# KiCad board AmigaPCI Mainboard.kicad_pcb (continued)
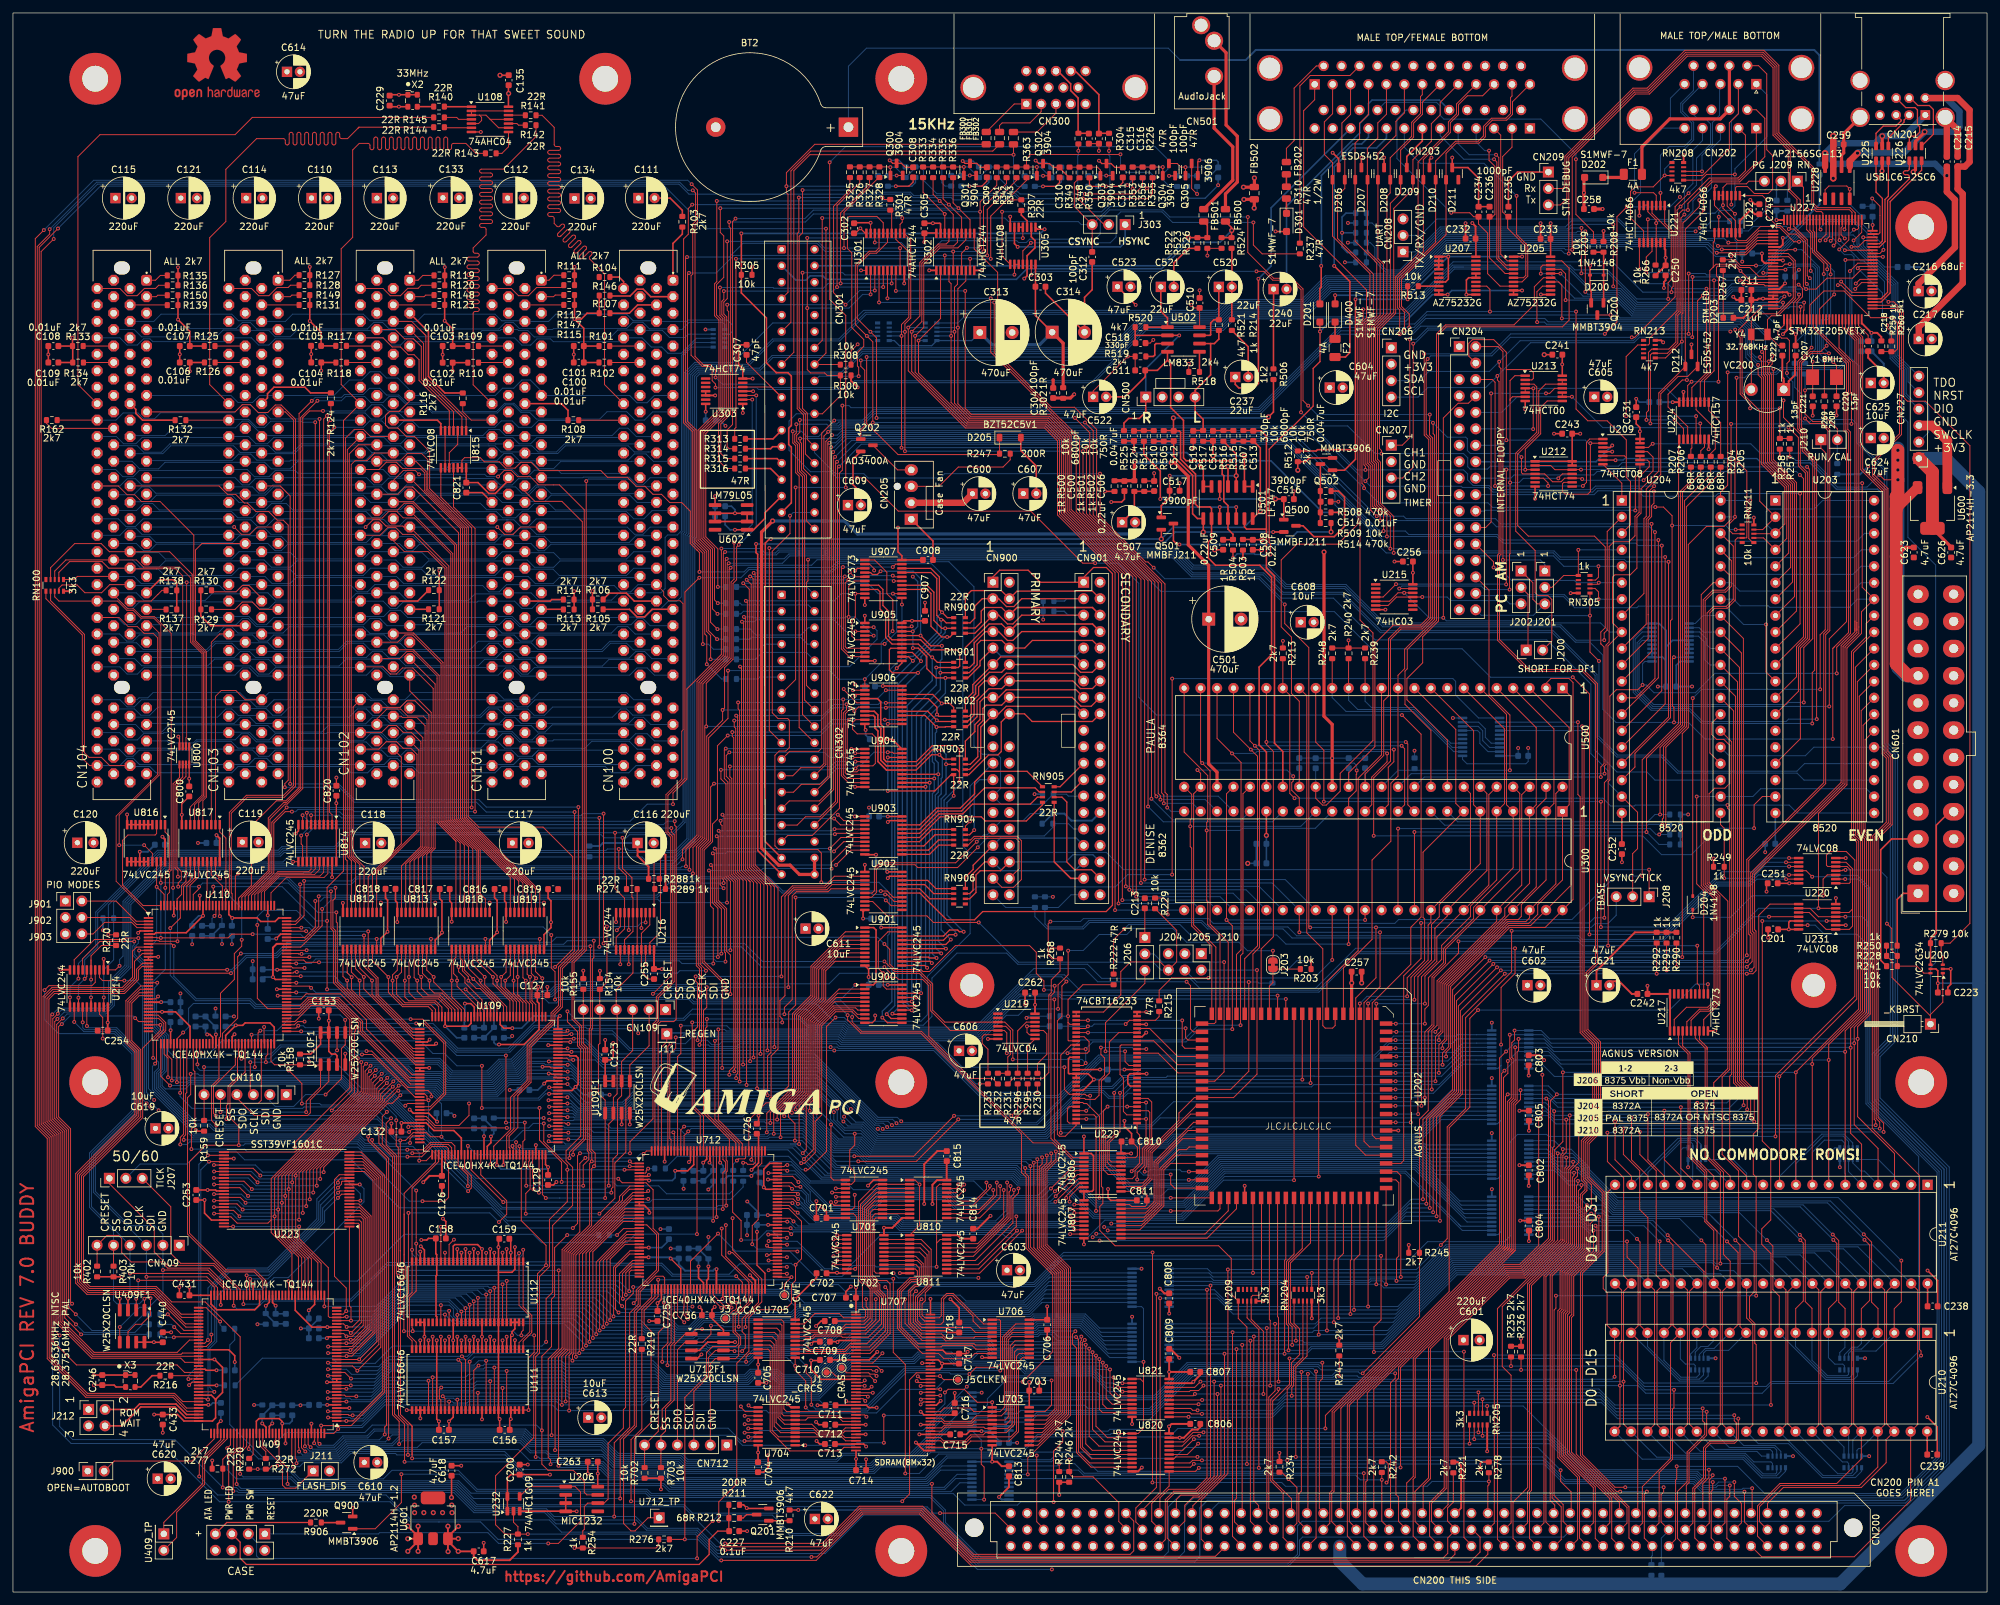
[diagram p0: board, top side]
## Library data of the parts (continued)
J900 = -: Description: Generic connector, double row, 02x01, this symbol is compatible with counter-clockwise, top-bottom and odd-even numbering schemes., script generated (kicad-library-utils/schlib/autogen/connector/); LCSC: C124375; ki_fp_filters: Connector*:*_2x??_*
Q200 Q300-Q304 = -: Datasheet: https://www.onsemi.com/pdf/datasheet/pzt3904-d.pdf; LCSC: C84104; ki_fp_filters: SOT?23*
Q201 Q305 Q502 = -: Datasheet: https://www.onsemi.com/pdf/datasheet/pzt3906-d.pdf; LCSC: C75549; ki_fp_filters: SOT?23*
Q202 = -: Datasheet: http://www.aosmd.com/pdfs/datasheet/AO3400A.pdf; Description: 30V Vds, 5.7A Id, N-Channel MOSFET, SOT-23; LCSC: C347475; ki_fp_filters: SOT?23*
Q500 Q501 = -: Datasheet: https://www.nxp.com/docs/en/data-sheet/BF545A_BF545B_BF545C.pdf; LCSC: C3290016; ki_fp_filters: SOT?23*
Q900 = -: Datasheet: https://www.onsemi.com/pdf/datasheet/pzt3906-d.pdf; Description: -0.2A Ic, -40V Vce, Small Signal PNP Transistor, SOT-23; LCSC: C75549; ki_fp_filters: SOT?23*
R101-R139 R146-R150 R162 R213 R221 R234-R236 R239 R240 R242-R246 R248 R276-R278 R512 = -: LCSC: C13167; ki_fp_filters: R_*
R140-R145 R216 R217 R219 R220 R270-R275 R282-R285 R293 R307 = -: LCSC: C23345; ki_fp_filters: R_*
R154 R155 R158 R159 R202 R203 R208 R209 R223 R228 R229 R241 R265 R266 R279 R300 R305 R308 R402 R403 R509-R511 R513 R515-R517 R525 R702 R703 R901-R904 R911 R912 = -: LCSC: C25804; ki_fp_filters: R_*
R156 R157 R160 R161 R400 R401 R700 R701 = -: LCSC: C22775; ki_fp_filters: R_*
R201 R329 R337 R344 = -: LCSC: C23179; ki_fp_filters: R_*
R204-R207 R211 R218 R251-R253 = -: LCSC: C25254; ki_fp_filters: R_*
R210 R520 R521 = -: LCSC: C23162; ki_fp_filters: R_*
R212 R247 = -: LCSC: C8218; ki_fp_filters: R_*
R214 R224 R225 R227 R249 R250 R254-R259 R262-R264 R268 R286-R292 R303 R309 R311 R312 R325 R333 R341 R349 R501 R502 R522-R524 R526 R900 = -: LCSC: C21190; ki_fp_filters: R_*
R215 R222 R226 R230-R233 R238 R294-R296 R301 R304 R313-R324 = -: LCSC: C23182; ki_fp_filters: R_*
R237 = -: Wattage: 1W; LCSC: C23182; ki_fp_filters: R_*
R260 R261 = -: LCSC: C23186; ki_fp_filters: R_*
R267 R280 R281 = -: LCSC: C4190; ki_fp_filters: R_*
R269 R348 R906 = -: LCSC: C22962; ki_fp_filters: R_*
R302 R500 R503 R504 = -: LCSC: C22936; ki_fp_filters: R_*
R310 = -: LCSC: C560533; ki_fp_filters: R_*
R326 R334 R342 = -: LCSC: C22975; ki_fp_filters: R_*
R327 R335 R343 = -: LCSC: C23018; ki_fp_filters: R_*
R328 R336 R363 = -: LCSC: C25981; ki_fp_filters: R_*
R330 R338 R345 = -: LCSC: C23151; ki_fp_filters: R_*
R331 R332 R339 R340 R346 R347 R352 R362 = -: LCSC: C4275; ki_fp_filters: R_*
R350 = -: LCSC: C22967; ki_fp_filters: R_*
R351 = -: LCSC: C22808; ki_fp_filters: R_*
R353 R356 = -: LCSC: C23033; ki_fp_filters: R_*
R354 = -: LCSC: C25952; ki_fp_filters: R_*
R355 = -: LCSC: C25977; ki_fp_filters: R_*
R357 = -: LCSC: C23265; ki_fp_filters: R_*
R358 = -: LCSC: C22898; ki_fp_filters: R_*
R359 = -: LCSC: C22966; ki_fp_filters: R_*
R360 R361 = -: LCSC: C23148; ki_fp_filters: R_*
R505 R507 = -: LCSC: C23241; ki_fp_filters: R_*
R506 = -: LCSC: C22765; ki_fp_filters: R_*
R508 R514 = -: LCSC: C23178; ki_fp_filters: R_*
R518 R519 = -: LCSC: C22940; ki_fp_filters: R_*
RN100 RN101 RN200-RN207 RN209 = -: Datasheet: https://www.ctscorp.com/wp-content/uploads/74x.pdf; Description: 8 resistor network, SMD, bussed resistors, small symbol; Part Number: 746X101332JP; LCSC: C1731077; ki_fp_filters: R?Array?SIP*
RN208 RN213 RN301 RN302 = -: Datasheet: https://www.ctscorp.com/wp-content/uploads/74x.pdf; Description: 8 resistor network, SMD, bussed resistors, small symbol; Part Number: YC158TJR-074K7L; LCSC: C728819; ki_fp_filters: R?Array?SIP*
RN211 = -: Datasheet: https://www.ctscorp.com/wp-content/uploads/74x.pdf; Description: 8 resistor network, SMD, bussed resistors, small symbol; Part Number: YC158TJR-0710KL; LCSC: C309679; ki_fp_filters: R?Array?SIP*
RN305 = -: Datasheet: https://www.ctscorp.com/wp-content/uploads/74x.pdf; Description: 8 resistor network, SMD, bussed resistors, small symbol; Part Number: 746X101102JP; LCSC: C1731268; ki_fp_filters: R?Array?SIP*
RN900-RN906 = -: Description: 4 resistor network, parallel topology, split; Part: YC164-FR-0722RL; LCSC: C12008; ki_fp_filters: DIP* SOIC* R*Array*Concave* R*Array*Convex* MSOP*
U108 = -: Datasheet: http://www.ti.com/lit/gpn/sn74LS04; LCSC: C8190; ki_fp_filters: DIP*W7.62mm* SSOP?14* TSSOP?14*
U109 U110 U409 U712 = -: Description: IC FPGA 107 I/O 144TQFP; Availability: Unavailable; MF: Lattice Semiconductor; Package: TQFP-144 Lattice Semiconductor; Price: None; LCSC: C1521989
U109F1 U110F1 U409F1 U712F1 = -: Datasheet: https://www.winbond.com/resource-files/w25x20cl_revf%2020150806.pdf; LCSC: C34591; ki_fp_filters: SOIC*3.9x4.9mm*P1.27mm*
U111 U112 = -: LCSC: C2869631; ki_fp_filters: DL56 DL56-M DL56-L
U200 = -: Datasheet: http://www.ti.com/lit/sg/scyt129e/scyt129e.pdf; Description: Dual Buffer, Low-Voltage CMOS; LCSC: C14461; ki_fp_filters: SG-* SOT*
U201 U701-U704 U806-U814 U816-U819 U900-U905 = -: Datasheet: http://www.ti.com/lit/gpn/sn74LS245; LCSC: C7848; ki_fp_filters: DIP?20*
U202 = -: LCSC: C5445002
U203 U204 U210 U211 = -: LCSC: C2332
U205 U207 = -: Datasheet: https://www.diodes.com/assets/Datasheets/AZ75232.pdf; Description: RS232 interface IC, 3 drivers, 5 receivers, 3.3V/5V Vcc supply, bipolar Vdd/Vss supply, 120kb/s, TSSOP-20; LCSC: C444988; ki_fp_filters: TSSOP*4.4x6.5mm*P0.65mm*
U206 = -: Datasheet: https://ww1.microchip.com/downloads/aemDocuments/documents/APID/ProductDocuments/DataSheets/MIC1232-5V-Voltage-Supervisor-with-Manual-Reset-Watchdog-Timer-and-Dual-Reset-Outputs-DS20006726.pdf; Description: Supply-Voltage Supervisors w/Watchdog and Pushbutton Reset, 5V, PDIP-8/SOIC-8; LCSC: C627729; ki_fp_filters: SOIC*3.9x4.9mm*P1.27mm* DIP*W7.62mm*
U208 = -: Description: 8-bit Register, 3-state outputs; LCSC: C7672; ki_fp_filters: DIP?20*
U209 U305 = -: Datasheet: http://www.ti.com/lit/gpn/sn74LS08; LCSC: C131488; ki_fp_filters: DIP*W7.62mm*
U212 = -: Datasheet: 74xx/74hc_hct74.pdf; LCSC: C141335; ki_fp_filters: DIP*W7.62mm*
U213 = -: Datasheet: http://www.ti.com/lit/gpn/sn74ls00; LCSC: C8206; ki_fp_filters: DIP*W7.62mm* SO14*
U214 U216 = -: Datasheet: https://assets.nexperia.com/documents/data-sheet/74HC_HCT244.pdf; Description: 8-bit Buffer/Line Driver 3-state; LCSC: C7668; ki_fp_filters: TSSOP*4.4x6.5mm*P0.65mm* SSOP*4.4x6.5mm*P0.65mm*
U215 = -: Datasheet: http://www.ti.com/lit/gpn/sn74LS03; LCSC: C546492; ki_fp_filters: DIP*W7.62mm**
U217 = -: Datasheet: http://www.ti.com/lit/gpn/sn74LS273; Description: 8-bit D Flip-Flop, reset; LCSC: C513294; ki_fp_filters: DIP?20* SO?20* SOIC?20*
U219 = -: Datasheet: http://www.ti.com/lit/gpn/sn74LS04; LCSC: C352968; ki_fp_filters: DIP*W7.62mm* SSOP?14* TSSOP?14*
U220 U231 U815 = -: Datasheet: http://www.ti.com/lit/gpn/sn74LS08; LCSC: C6053; ki_fp_filters: DIP*W7.62mm*
U221 U222 = -: Datasheet: https://www.ti.com/lit/ds/symlink/cd4066b.pdf; LCSC: C26433; ki_fp_filters: DIP*W7.62*
U223 = -: Datasheet: https://ww1.microchip.com/downloads/en/DeviceDoc/SST39VF1601C-SST39VF1602C-16-Mbit-x16-Multi-Purpose-Flash-Plus-DS20005018B.pdf; Description: Silicon Storage Technology 1Mx16 Flash ROM; LCSC: C184156
U224 = -: Datasheet: http://www.ti.com/lit/gpn/sn74LS157; LCSC: C2674471; ki_fp_filters: DIP?16*
U225 U226 = -: Datasheet: https://www.st.com/resource/en/datasheet/usblc6-2.pdf; LCSC: C7519; ki_fp_filters: SOT?23*
U227 = -: Datasheet: https://www.st.com/resource/en/datasheet/stm32f205ve.pdf; Description: STMicroelectronics Arm Cortex-M3 MCU, 512KB flash, 128KB RAM, 120 MHz, 1.8-3.6V, 82 GPIO, LQFP100; LCSC: C81869; ki_fp_filters: LQFP*14x14mm*P0.5mm*
U228 = -: LCSC: C88233
U229 = -: Datasheet: https://www.ti.com/lit/ds/symlink/sn74cbt16233.pdf?HQS=dis-dk-null-digikeymode-dsf-pf-null-wwe&ts=1686702107606&ref_url=https%253A%252F%252Fwww.ti.com%252Fgeneral%252Fdocs%252Fsuppproductinfo.tsp%253FdistId%253D10%2526gotoUrl%253Dhttps%253A%252F%252Fwww.ti.com%252Flit%252Fgpn%252Fsn74cbt16233; Part Number: SN74CBT16233DL; LCSC: C2674759; ki_fp_filters: SSOP*3.9x4.9mm*P0.635mm* TSSOP*4.4x5mm*P0.65mm* TVSOP*4.4x3.6mm*P0.4mm* SOIC*3.9x9.9mm*P1.27mm*
U232 = -: Datasheet: https://assets.nexperia.com/documents/data-sheet/74AHC1G09.pdf; Description: Single AND Gate, Open Drain, Low-Voltage CMOS; LCSC: C840099; ki_fp_filters: SOT* SG-*
U300 U500 = -: LCSC: C5510465
U301 U302 = -: Datasheet: https://assets.nexperia.com/documents/data-sheet/74HC_HCT244.pdf; LCSC: C135583; ki_fp_filters: TSSOP*4.4x6.5mm*P0.65mm* SSOP*4.4x6.5mm*P0.65mm*
U303 = -: LCSC: C141335; ki_fp_filters: DIP*W7.62mm*
U501 = -: LCSC: C7917
U502 = -: LCSC: C127074
U600 = -: Datasheet: http://www.ti.com/lit/ds/symlink/lm1117.pdf; LCSC: C150716; ki_fp_filters: TO?252*
U601 = -: Datasheet: http://www.ti.com/lit/ds/symlink/lm1117.pdf; LCSC: C94854; ki_fp_filters: TO?252*
U602 = -: Datasheet: https://www.ti.com/lit/ds/symlink/lm79l.pdf?HQS=dis-dk-null-digikeymode-dsf-pf-null-wwe&ts=1736443216071; Description: Negative 100mA Linear Regulator, Fixed Output -5V, SO-8; LCSC: C7555; ki_fp_filters: SOIC?8*3.9x4.9mm*P1.27mm*
U705 U706 = -: Datasheet: http://www.ti.com/lit/gpn/sn74HC245; LCSC: C7848; ki_fp_filters: DIP?20*
U707 = -: Datasheet: https://www.issi.com/WW/pdf/42-45R-S-32160F.pdf; Description: 16M x 32 bit Synchronous DRAM (SDRAM), TSOP II 86pin; LCSC: C1351836
U800 = -: Datasheet: https://assets.nexperia.com/documents/data-sheet/74LVC_LVCH2T45.pdf; Description: Dual supply translating transceiver, 3-state, 2-bit, VSSOP-8; LCSC: C15741; ki_fp_filters: VSSOP*2.3x2mm*P0.5mm*
U802-U805 U820-U823 = -: Datasheet: http://www.ti.com/lit/gpn/sn74LS245; Description: Octal BUS Transceivers, 3-State outputs; LCSC: C7848; ki_fp_filters: DIP?20*
U906 U907 = -: Datasheet: https://www.ti.com/lit/ds/symlink/cd54hc373.pdf; LCSC: C485083; ki_fp_filters: DIP?20* SOIC?20* SO?20* SSOP?20* TSSOP?20*
VC200 = -: Datasheet: https://media.digikey.com/pdf/Data%20Sheets/EW%20Electronics-Edmar/GKGxx015_016_Series_DS.pdf; Part Number: GKG5R015; LCSC: C3273284
X2 = -: Datasheet: http://cdn-reichelt.de/documents/datenblatt/B400/XO32.pdf; LCSC: C17506154; ki_fp_filters: Oscillator*SMD*EuroQuartz*XO32*3.2x2.5mm*
X3 = -: Datasheet: http://cdn-reichelt.de/documents/datenblatt/B400/XO32.pdf; LCSC: C1670933; ki_fp_filters: Oscillator*SMD*EuroQuartz*XO32*3.2x2.5mm*
Y1 = -: Part: 445C33D25M00000; LCSC: C5564812; ki_fp_filters: Crystal*
Y4 = -: Part Number: FC-135 32.7680KA-AG0; LCSC: C20340322; ki_fp_filters: Crystal*

## Footprints (pads in the part's own frame, mm; a bottom-side part is the same pattern mirrored in y, then rotated)
2x18_P2.54mm_Horizontal
  rrect 1.31x1.31 hole 0.71: 1(-22.733,-2.413)
  round 1.31 hole 0.71: 2(-22.733,2.667) 3(-20.193,-2.413) 4(-20.193,2.667) 5(-17.653,-2.413) 6(-17.653,2.667) 7(-15.113,-2.413) 8(-15.113,2.667) 9(-12.573,-2.413) 10(-12.573,2.667) 11(-10.033,-2.413) 12(-10.033,2.667) 13(-7.493,-2.413) 14(-7.493,2.667) 15(-4.953,-2.413) 16(-4.953,2.667) 17(-2.413,-2.413) 18(-2.413,2.667) 19(0.127,-2.413) 20(0.127,2.667) 21(2.667,-2.413) 22(2.667,2.667) 23(5.207,-2.413) 24(5.207,2.667) 25(7.747,-2.413) 26(7.747,2.667) 27(10.287,-2.413) 28(10.287,2.667) 29(12.827,-2.413) 30(12.827,2.667) 31(15.367,-2.413) 32(15.367,2.667) 33(17.907,-2.413) 34(17.907,2.667) 35(20.447,-2.413) 36(20.447,2.667)
ATA_Header_2x20_P2.54mm
  rect 1.7x1.7 hole 1: 1(0,0)
  oval 1.7x1.7 hole 1: 2(2.54,0) 3(0,-2.54) 4(2.54,-2.54) 5(0,-5.08) 6(2.54,-5.08) 7(0,-7.62) 8(2.54,-7.62) 9(0,-10.16) 10(2.54,-10.16) 11(0,-12.7) 12(2.54,-12.7) 13(0,-15.24) 14(2.54,-15.24) 15(0,-17.78) 16(2.54,-17.78) 17(0,-20.32) 18(2.54,-20.32) 19(0,-22.86) 21(0,-25.4) 22(2.54,-25.4) 23(0,-27.94) 24(2.54,-27.94) 25(0,-30.48) 26(2.54,-30.48) 27(0,-33.02) 28(2.54,-33.02) 29(0,-35.56) 30(2.54,-35.56) 31(0,-38.1) 32(2.54,-38.1) 33(0,-40.64) 34(2.54,-40.64) 35(0,-43.18) 36(2.54,-43.18) 37(0,-45.72) 38(2.54,-45.72) 39(0,-48.26) 40(2.54,-48.26)
AudioHeader
  rect 1.7x1.7 hole 1: 1(0,0)
  oval 1.7x1.7 hole 1: 2(0,-2.54) 3(0,-5.08) 4(0,-7.62)
BatteryHolder_Keystone_103_1x20mm
  rect 3x3 hole 1.5: 1(0,0)
  round 3 hole 1.5: 2(20.49,0)
C_0603_1608Metric
  rrect 0.9x0.95 smd: 1(-0.775,0) 2(0.775,0)
C_0805_2012Metric
  rrect 1x1.45 smd: 1(-0.95,0) 2(0.95,0)
CP_Radial_D5.0mm_P2.00mm
  rect 1.6x1.6 hole 0.8: 1(0,0)
  round 1.6 hole 0.8: 2(2,0)
CP_Radial_D6.3mm_P2.50mm
  rect 1.6x1.6 hole 0.8: 1(0,0)
  round 1.6 hole 0.8: 2(2.5,0)
CP_Radial_D10.0mm_P5.00mm
  rect 2x2 hole 1: 1(0,0)
  round 2 hole 1: 2(5,0)
Crystal_SMD_3215-2Pin_3.2x1.5mm
  rect 1x1.8 smd: 1(1.25,0) 2(-1.25,0)
Crystal_SMD_5032-2Pin_5.0x3.2mm
  rect 2x2.4 smd: 1(-1.85,0) 2(1.85,0)
D_SOD-123
  rrect 0.9x1.2 smd: 1(-1.65,0) 2(1.65,0)
D_SOD-123F
  rrect 1.1x1.1 smd: 1(-1.4,0) 2(1.4,0)
D_SOD-323
  rrect 0.6x0.45 smd: 1(-1.05,0) 2(1.05,0)
DIN41612_C_3x50_Female_Vertical_THT
  round 2.85 hole 2.85 unplated: (-0.28,69.15) (-0.28,-66.57)
  round 1.55 hole 1: a1(-2.52,-60.94) a2(-2.52,-58.4) a3(-2.52,-55.86) a4(-2.52,-53.32) a5(-2.52,-50.78) a6(-2.52,-48.24) a7(-2.52,-45.7) a8(-2.52,-43.16) a9(-2.52,-40.62) a10(-2.52,-38.08) a11(-2.52,-35.54) a12(-2.52,-33) a13(-2.52,-30.46) a14(-2.52,-27.92) a15(-2.52,-25.38) a16(-2.52,-22.84) a17(-2.52,-20.3) a18(-2.52,-17.76) a19(-2.52,-15.22) a20(-2.52,-12.68) a21(-2.52,-10.14) a22(-2.52,-7.6) a23(-2.52,-5.06) a24(-2.52,-2.52) a25(-2.52,0.02) a26(-2.52,2.56) a27(-2.52,5.1) a28(-2.52,7.64) a29(-2.52,10.18) a30(-2.52,12.72) a31(-2.52,15.26) a32(-2.52,17.8) a33(-2.52,20.34) a34(-2.52,22.88) a35(-2.52,25.42) a36(-2.52,27.96) a37(-2.52,30.5) a38(-2.52,33.04) a39(-2.52,35.58) a40(-2.52,38.12) a41(-2.52,40.66) a42(-2.52,43.2) a43(-2.52,45.74) a44(-2.52,48.28) a45(-2.52,50.82) a46(-2.52,53.36) a47(-2.52,55.9) a48(-2.52,58.44) a49(-2.52,60.98) a50(-2.52,63.52) b1(0.02,-60.94) b2(0.02,-58.4) b3(0.02,-55.86) b4(0.02,-53.32) b5(0.02,-50.78) b6(0.02,-48.24) b7(0.02,-45.7) b8(0.02,-43.16) b9(0.02,-40.62) b10(0.02,-38.08) b11(0.02,-35.54) b12(0.02,-33) b13(0.02,-30.46) b14(0.02,-27.92) b15(0.02,-25.38) b16(0.02,-22.84) b17(0.02,-20.3) b18(0.02,-17.76) b19(0.02,-15.22) b20(0.02,-12.68) b21(0.02,-10.14) b22(0.02,-7.6) b23(0.02,-5.06) b24(0.02,-2.52) b25(0.02,0.02) b26(0.02,2.56) b27(0.02,5.1) b28(0.02,7.64) b29(0.02,10.18) b30(0.02,12.72) b31(0.02,15.26) b32(0.02,17.8) b33(0.02,20.34) b34(0.02,22.88) b35(0.02,25.42) b36(0.02,27.96) b37(0.02,30.5) b38(0.02,33.04) b39(0.02,35.58) b40(0.02,38.12) b41(0.02,40.66) b42(0.02,43.2) b43(0.02,45.74) b44(0.02,48.28) b45(0.02,50.82) b46(0.02,53.36) b47(0.02,55.9) b48(0.02,58.44) b49(0.02,60.98) b50(0.02,63.52) c1(2.56,-60.94) c2(2.56,-58.4) c3(2.56,-55.86) c4(2.56,-53.32) c5(2.56,-50.78) c6(2.56,-48.24) c7(2.56,-45.7) c8(2.56,-43.16) c9(2.56,-40.62) c10(2.56,-38.08) c11(2.56,-35.54) c12(2.56,-33) c13(2.56,-30.46) c14(2.56,-27.92) c15(2.56,-25.38) c16(2.56,-22.84) c17(2.56,-20.3) c18(2.56,-17.76) c19(2.56,-15.22) c20(2.56,-12.68) c21(2.56,-10.14) c22(2.56,-7.6) c23(2.56,-5.06) c24(2.56,-2.52) c25(2.56,0.02) c26(2.56,2.56) c27(2.56,5.1) c28(2.56,7.64) c29(2.56,10.18) c30(2.56,12.72) c31(2.56,15.26) c32(2.56,17.8) c33(2.56,20.34) c34(2.56,22.88) c35(2.56,25.42) c36(2.56,27.96) c37(2.56,30.5) c38(2.56,33.04) c39(2.56,35.58) c40(2.56,38.12) c41(2.56,40.66) c42(2.56,43.2) c43(2.56,45.74) c44(2.56,48.28) c45(2.56,50.82) c46(2.56,53.36) c47(2.56,55.9) c48(2.56,58.44) c49(2.56,60.98) c50(2.56,63.52)
DIP-40_W15.24mm_Socket
  rect 1.6x1.6 hole 0.8: 1(0,0)
  oval 1.6x1.6 hole 0.8: 2(0,-2.54) 3(0,-5.08) 4(0,-7.62) 5(0,-10.16) 6(0,-12.7) 7(0,-15.24) 8(0,-17.78) 9(0,-20.32) 10(0,-22.86) 11(0,-25.4) 12(0,-27.94) 13(0,-30.48) 14(0,-33.02) 15(0,-35.56) 16(0,-38.1) 17(0,-40.64) 18(0,-43.18) 19(0,-45.72) 20(0,-48.26) 21(15.24,-48.26) 22(15.24,-45.72) 23(15.24,-43.18) 24(15.24,-40.64) 25(15.24,-38.1) 26(15.24,-35.56) 27(15.24,-33.02) 28(15.24,-30.48) 29(15.24,-27.94) 30(15.24,-25.4) 31(15.24,-22.86) 32(15.24,-20.32) 33(15.24,-17.78) 34(15.24,-15.24) 35(15.24,-12.7) 36(15.24,-10.16) 37(15.24,-7.62) 38(15.24,-5.08) 39(15.24,-2.54) 40(15.24,0)
DIP-48_W15.24mm
  rect 1.6x1.6 hole 0.8: 1(0,0)
  oval 1.6x1.6 hole 0.8: 2(0,-2.54) 3(0,-5.08) 4(0,-7.62) 5(0,-10.16) 6(0,-12.7) 7(0,-15.24) 8(0,-17.78) 9(0,-20.32) 10(0,-22.86) 11(0,-25.4) 12(0,-27.94) 13(0,-30.48) 14(0,-33.02) 15(0,-35.56) 16(0,-38.1) 17(0,-40.64) 18(0,-43.18) 19(0,-45.72) 20(0,-48.26) 21(0,-50.8) 22(0,-53.34) 23(0,-55.88) 24(0,-58.42) 25(15.24,-58.42) 26(15.24,-55.88) 27(15.24,-53.34) 28(15.24,-50.8) 29(15.24,-48.26) 30(15.24,-45.72) 31(15.24,-43.18) 32(15.24,-40.64) 33(15.24,-38.1) 34(15.24,-35.56) 35(15.24,-33.02) 36(15.24,-30.48) 37(15.24,-27.94) 38(15.24,-25.4) 39(15.24,-22.86) 40(15.24,-20.32) 41(15.24,-17.78) 42(15.24,-15.24) 43(15.24,-12.7) 44(15.24,-10.16) 45(15.24,-7.62) 46(15.24,-5.08) 47(15.24,-2.54) 48(15.24,0)
DSUB-9_Male_Stack
  rect 1.6x1.6 hole 1: 1(-5.588,11.02) 10(-5.588,17.82)
  round 1.6 hole 1: 2(-2.818,11.02) 3(-0.048,11.02) 4(2.722,11.02) 5(5.492,11.02) 6(-4.203,8.18) 7(-1.433,8.18) 8(1.337,8.18) 9(4.107,8.18) 11(-2.818,17.82) 12(-0.048,17.82) 13(2.722,17.82) 14(5.492,17.82) 15(-4.203,14.98) 16(-1.433,14.98) 17(1.337,14.98) 18(4.107,14.98)
  round 4 hole 3.2: 19(-12.548,16.4) 19(-12.548,8.5) 19(12.452,16.4) 19(12.452,8.5)
DSUB-15-HD_Female_Horizontal_P2.29x1.98mm_EdgePinOffset8.35mm_Housed_MountingHolesOffset10.89mm
  rect 1.6x1.6 hole 1: 1(4.572,13.97)
  round 1.6 hole 1: 2(2.282,13.97) 3(-0.008,13.97) 4(-2.298,13.97) 5(-4.588,13.97) 6(5.717,11.43) 7(3.427,11.43) 8(1.137,11.43) 9(-1.153,11.43) 10(-3.443,11.43) 11(4.572,8.89) 12(2.282,8.89) 13(-0.008,8.89) 14(-2.298,8.89) 15(-4.588,8.89)
  round 4 hole 3.2: 16(-12.243,11.43) 16(12.757,11.43)
DSUB-25_Stack_Female_Bottom_Male_Top
  rect 1.6x1.6 hole 1: 1(16.637,11.02) 26(-16.603,17.82)
  round 1.6 hole 1: 2(13.867,11.02) 3(11.097,11.02) 4(8.327,11.02) 5(5.557,11.02) 6(2.787,11.02) 7(0.017,11.02) 8(-2.753,11.02) 9(-5.523,11.02) 10(-8.293,11.02) 11(-11.063,11.02) 12(-13.833,11.02) 13(-16.603,11.02) 14(15.252,8.18) 15(12.482,8.18) 16(9.712,8.18) 17(6.942,8.18) 18(4.172,8.18) 19(1.402,8.18) 20(-1.368,8.18) 21(-4.138,8.18) 22(-6.908,8.18) 23(-9.678,8.18) 24(-12.448,8.18) 25(-15.218,8.18) 27(-13.833,17.82) 28(-11.049,17.82) 29(-8.293,17.82) 30(-5.523,17.82) 31(-2.753,17.82) 32(0.017,17.82) 33(2.794,17.82) 34(5.557,17.82) 35(8.327,17.82) 36(11.097,17.82) 37(13.843,17.82) 38(16.637,17.82) 39(-15.24,14.98) 40(-12.448,14.986) 41(-9.652,14.986) 42(-6.908,14.986) 43(-4.138,14.986) 44(-1.368,14.986) 45(1.397,14.986) 46(4.172,14.986) 47(6.942,14.986) 48(9.712,14.986) 49(12.482,14.986) 50(15.252,14.986)
  round 4 hole 3.2: 51(-23.533,16.4) 51(-23.533,8.5) 51(23.567,16.4) 51(23.567,8.5)
FanPinHeader_1x04_P2.54mm_Vertical
  round 1.1 hole 1.1 unplated: (5.08,2.16)
  rect 1.73x2.03 hole 1.02: 1(0,0)
  oval 1.73x2.03 hole 1.02: 2(2.54,0) 3(5.08,0) 4(7.62,0)
Floppy_PinHeader_2x17_P2.54mm
  rect 1.7x1.7 hole 1: 1(0,0)
  oval 1.7x1.7 hole 1: 2(2.54,0) 4(2.54,-2.54) 5(0,-5.08) 6(2.54,-5.08) 7(0,-7.62) 8(2.54,-7.62) 9(0,-10.16) 10(2.54,-10.16) 11(0,-12.7) 12(2.54,-12.7) 13(0,-15.24) 14(2.54,-15.24) 15(0,-17.78) 16(2.54,-17.78) 17(0,-20.32) 18(2.54,-20.32) 19(0,-22.86) 20(2.54,-22.86) 21(0,-25.4) 22(2.54,-25.4) 23(0,-27.94) 24(2.54,-27.94) 25(0,-30.48) 26(2.54,-30.48) 27(0,-33.02) 28(2.54,-33.02) 29(0,-35.56) 30(2.54,-35.56) 31(0,-38.1) 32(2.54,-38.1) 33(0,-40.64) 34(2.54,-40.64)
Fuse_1206_3216Metric
  rrect 1.25x1.75 smd: 1(-1.4,0) 2(1.4,0)
Jack_3.5mm_CUI_SJ1-3533NG_Horizontal_CircularHoles
  round 2.8 hole 2: R(2,-7.9) S(0,0) T(2,-2.4)
LED_0603_1608Metric
  rrect 0.875x0.95 smd: 1(-0.787,0) 2(0.787,0)
LQFP-100_14x14mm_P0.5mm
  rrect 1.6x0.3 smd: 1(-7.675,6) 2(-7.675,5.5) 3(-7.675,5) 4(-7.675,4.5) 5(-7.675,4) 6(-7.675,3.5) 7(-7.675,3) 8(-7.675,2.5) 9(-7.675,2) 10(-7.675,1.5) 11(-7.675,1) 12(-7.675,0.5) 13(-7.675,0) 14(-7.675,-0.5) 15(-7.675,-1) 16(-7.675,-1.5) 17(-7.675,-2) 18(-7.675,-2.5) 19(-7.675,-3) 20(-7.675,-3.5) 21(-7.675,-4) 22(-7.675,-4.5) 23(-7.675,-5) 24(-7.675,-5.5) 25(-7.675,-6) 51(7.675,-6) 52(7.675,-5.5) 53(7.675,-5) 54(7.675,-4.5) 55(7.675,-4) 56(7.675,-3.5) 57(7.675,-3) 58(7.675,-2.5) 59(7.675,-2) 60(7.675,-1.5) 61(7.675,-1) 62(7.675,-0.5) 63(7.675,0) 64(7.675,0.5) 65(7.675,1) 66(7.675,1.5) 67(7.675,2) 68(7.675,2.5) 69(7.675,3) 70(7.675,3.5) 71(7.675,4) 72(7.675,4.5) 73(7.675,5) 74(7.675,5.5) 75(7.675,6)
  rrect 0.3x1.6 smd: 26(-6,-7.675) 27(-5.5,-7.675) 28(-5,-7.675) 29(-4.5,-7.675) 30(-4,-7.675) 31(-3.5,-7.675) 32(-3,-7.675) 33(-2.5,-7.675) 34(-2,-7.675) 35(-1.5,-7.675) 36(-1,-7.675) 37(-0.5,-7.675) 38(0,-7.675) 39(0.5,-7.675) 40(1,-7.675) 41(1.5,-7.675) 42(2,-7.675) 43(2.5,-7.675) 44(3,-7.675) 45(3.5,-7.675) 46(4,-7.675) 47(4.5,-7.675) 48(5,-7.675) 49(5.5,-7.675) 50(6,-7.675) 76(6,7.675) 77(5.5,7.675) 78(5,7.675) 79(4.5,7.675) 80(4,7.675) 81(3.5,7.675) 82(3,7.675) 83(2.5,7.675) 84(2,7.675) 85(1.5,7.675) 86(1,7.675) 87(0.5,7.675) 88(0,7.675) 89(-0.5,7.675) 90(-1,7.675) 91(-1.5,7.675) 92(-2,7.675) 93(-2.5,7.675) 94(-3,7.675) 95(-3.5,7.675) 96(-4,7.675) 97(-4.5,7.675) 98(-5,7.675) 99(-5.5,7.675) 100(-6,7.675)
LQFP-144_20x20mm_P0.5mm
  rrect 1.475x0.3 smd: 1(-10.662,8.75) 2(-10.662,8.25) 3(-10.662,7.75) 4(-10.662,7.25) 5(-10.662,6.75) 6(-10.662,6.25) 7(-10.662,5.75) 8(-10.662,5.25) 9(-10.662,4.75) 10(-10.662,4.25) 11(-10.662,3.75) 12(-10.662,3.25) 13(-10.662,2.75) 14(-10.662,2.25) 15(-10.662,1.75) 16(-10.662,1.25) 17(-10.662,0.75) 18(-10.662,0.25) 19(-10.662,-0.25) 20(-10.662,-0.75) 21(-10.662,-1.25) 22(-10.662,-1.75) 23(-10.662,-2.25) 24(-10.662,-2.75) 25(-10.662,-3.25) 26(-10.662,-3.75) 27(-10.662,-4.25) 28(-10.662,-4.75) 29(-10.662,-5.25) 30(-10.662,-5.75) 31(-10.662,-6.25) 32(-10.662,-6.75) 33(-10.662,-7.25) 34(-10.662,-7.75) 35(-10.662,-8.25) 36(-10.662,-8.75) 73(10.662,-8.75) 74(10.662,-8.25) 75(10.662,-7.75) 76(10.662,-7.25) 77(10.662,-6.75) 78(10.662,-6.25) 79(10.662,-5.75) 80(10.662,-5.25) 81(10.662,-4.75) 82(10.662,-4.25) 83(10.662,-3.75) 84(10.662,-3.25) 85(10.662,-2.75) 86(10.662,-2.25) 87(10.662,-1.75) 88(10.662,-1.25) 89(10.662,-0.75) 90(10.662,-0.25) 91(10.662,0.25) 92(10.662,0.75) 93(10.662,1.25) 94(10.662,1.75) 95(10.662,2.25) 96(10.662,2.75) 97(10.662,3.25) 98(10.662,3.75) 99(10.662,4.25) 100(10.662,4.75) 101(10.662,5.25) 102(10.662,5.75) 103(10.662,6.25) 104(10.662,6.75) 105(10.662,7.25) 106(10.662,7.75) 107(10.662,8.25) 108(10.662,8.75)
  rrect 0.3x1.475 smd: 37(-8.75,-10.662) 38(-8.25,-10.662) 39(-7.75,-10.662) 40(-7.25,-10.662) 41(-6.75,-10.662) 42(-6.25,-10.662) 43(-5.75,-10.662) 44(-5.25,-10.662) 45(-4.75,-10.662) 46(-4.25,-10.662) 47(-3.75,-10.662) 48(-3.25,-10.662) 49(-2.75,-10.662) 50(-2.25,-10.662) 51(-1.75,-10.662) 52(-1.25,-10.662) 53(-0.75,-10.662) 54(-0.25,-10.662) 55(0.25,-10.662) 56(0.75,-10.662) 57(1.25,-10.662) 58(1.75,-10.662) 59(2.25,-10.662) 60(2.75,-10.662) 61(3.25,-10.662) 62(3.75,-10.662) 63(4.25,-10.662) 64(4.75,-10.662) 65(5.25,-10.662) 66(5.75,-10.662) 67(6.25,-10.662) 68(6.75,-10.662) 69(7.25,-10.662) 70(7.75,-10.662) 71(8.25,-10.662) 72(8.75,-10.662) 109(8.75,10.662) 110(8.25,10.662) 111(7.75,10.662) 112(7.25,10.662) 113(6.75,10.662) 114(6.25,10.662) 115(5.75,10.662) 116(5.25,10.662) 117(4.75,10.662) 118(4.25,10.662) 119(3.75,10.662) 120(3.25,10.662) 121(2.75,10.662) 122(2.25,10.662) 123(1.75,10.662) 124(1.25,10.662) 125(0.75,10.662) 126(0.25,10.662) 127(-0.25,10.662) 128(-0.75,10.662) 129(-1.25,10.662) 130(-1.75,10.662) 131(-2.25,10.662) 132(-2.75,10.662) 133(-3.25,10.662) 134(-3.75,10.662) 135(-4.25,10.662) 136(-4.75,10.662) 137(-5.25,10.662) 138(-5.75,10.662) 139(-6.25,10.662) 140(-6.75,10.662) 141(-7.25,10.662) 142(-7.75,10.662) 143(-8.25,10.662) 144(-8.75,10.662)
Molex_Mini-Fit_Jr_5566-24A_2x12_P4.20mm_Vertical
  rrect 2.7x3.3 hole 1.4: 1(0,0)
  oval 2.7x3.3 hole 1.4: 2(4.2,0) 3(8.4,0) 4(12.6,0) 5(16.8,0) 6(21,0) 7(25.2,0) 8(29.4,0) 9(33.6,0) 10(37.8,0) 11(42,0) 12(46.2,0) 13(0,-5.5) 14(4.2,-5.5) 15(8.4,-5.5) 16(12.6,-5.5) 17(16.8,-5.5) 18(21,-5.5) 19(25.2,-5.5) 20(29.4,-5.5) 21(33.6,-5.5) 22(37.8,-5.5) 23(42,-5.5) 24(46.2,-5.5)
MountingHole_3.5mm_Pad
  round 7 hole 3.5: 1(0,0)
MountingHole_4mm_Pad
  round 8 hole 4: 1(0,0)
Oscillator_SMD_ECS_2520MV-xxx-xx-4Pin_2.5x2.0mm
  rrect 0.8x0.9 smd: 1(-0.725,0.925) 2(-0.725,-0.925) 3(0.725,-0.925) 4(0.725,0.925)
PCI-5V
  oval 2.44x2 hole 2.44x2 unplated: (0,40.01) (0,-24.76)
  rrect 1.68x1.68 hole 1.02: A1(3.81,38.11) A2(1.27,36.84) A3(3.81,35.57) A4(1.27,34.3) A5(3.81,33.03) A6(1.27,31.76) A7(3.81,30.49) A8(1.27,29.22) A9(3.81,27.95) A10(1.27,26.68) A11(3.81,25.41) A12(1.27,24.13) A13(3.81,22.86) A14(1.27,21.59) A15(3.81,20.32) A16(1.27,19.05) A17(3.81,17.78) A18(1.27,16.51) A19(3.81,15.24) A20(1.27,13.97) A21(3.81,12.7) A22(1.27,11.43) A23(3.81,10.16) A24(1.27,8.89) A25(3.81,7.62) A26(1.27,6.35) A27(3.81,5.08) A28(1.27,3.81) A29(3.81,2.54) A30(1.27,1.27) A31(3.81,0) A32(1.27,-1.27) A33(3.81,-2.54) A34(1.27,-3.81) A35(3.81,-5.08) A36(1.27,-6.35) A37(3.81,-7.62) A38(1.27,-8.89) A39(3.81,-10.16) A40(1.27,-11.43) A41(3.81,-12.7) A42(1.27,-13.97) A43(3.81,-15.24) A44(1.27,-16.51) A45(3.81,-17.78) A46(1.27,-19.05) A47(3.81,-20.32) A48(1.27,-21.59) A49(3.81,-22.86) A52(1.27,-26.67) A53(3.81,-27.94) A54(1.27,-29.21) A55(3.81,-30.48) A56(1.27,-31.75) A57(3.81,-33.02) A58(1.27,-34.29) A59(3.81,-35.56) A60(1.27,-36.83) A61(3.81,-38.1) A62(1.27,-39.37) B1(-1.27,38.11) B2(-3.81,36.84) B3(-1.27,35.57) B4(-3.81,34.3) B5(-1.27,33.03) B6(-3.81,31.76) B7(-1.27,30.49) B8(-3.81,29.22) B9(-1.27,27.95) B10(-3.81,26.68) B11(-1.27,25.41) B12(-3.81,24.13) B13(-1.27,22.86) B14(-3.81,21.59) B15(-1.27,20.32) B16(-3.81,19.05) B17(-1.27,17.78) B18(-3.81,16.51) B19(-1.27,15.24) B20(-3.81,13.97) B21(-1.27,12.7) B22(-3.81,11.43) B23(-1.27,10.16) B24(-3.81,8.89) B25(-1.27,7.62) B26(-3.81,6.35) B27(-1.27,5.08) B28(-3.81,3.81) B29(-1.27,2.54) B30(-3.81,1.27) B31(-1.27,0) B32(-3.81,-1.27) B33(-1.27,-2.54) B34(-3.81,-3.81) B35(-1.27,-5.08) B36(-3.81,-6.35) B37(-1.27,-7.62) B38(-3.81,-8.89) B39(-1.27,-10.16) B40(-3.81,-11.43) B41(-1.27,-12.7) B42(-3.81,-13.97) B43(-1.27,-15.24) B44(-3.81,-16.51) B45(-1.27,-17.78) B46(-3.81,-19.05) B47(-1.27,-20.32) B48(-3.81,-21.59) B49(-1.27,-22.86) B52(-3.81,-26.67) B53(-1.27,-27.94) B54(-3.81,-29.21) B55(-1.27,-30.48) B56(-3.81,-31.75) B57(-1.27,-33.02) B58(-3.81,-34.29) B59(-1.27,-35.56) B60(-3.81,-36.83) B61(-1.27,-38.1) B62(-3.81,-39.37)